# Altium PCB DCAR_Motors_Relays.PcbDoc (part 3 of 4) (continued)
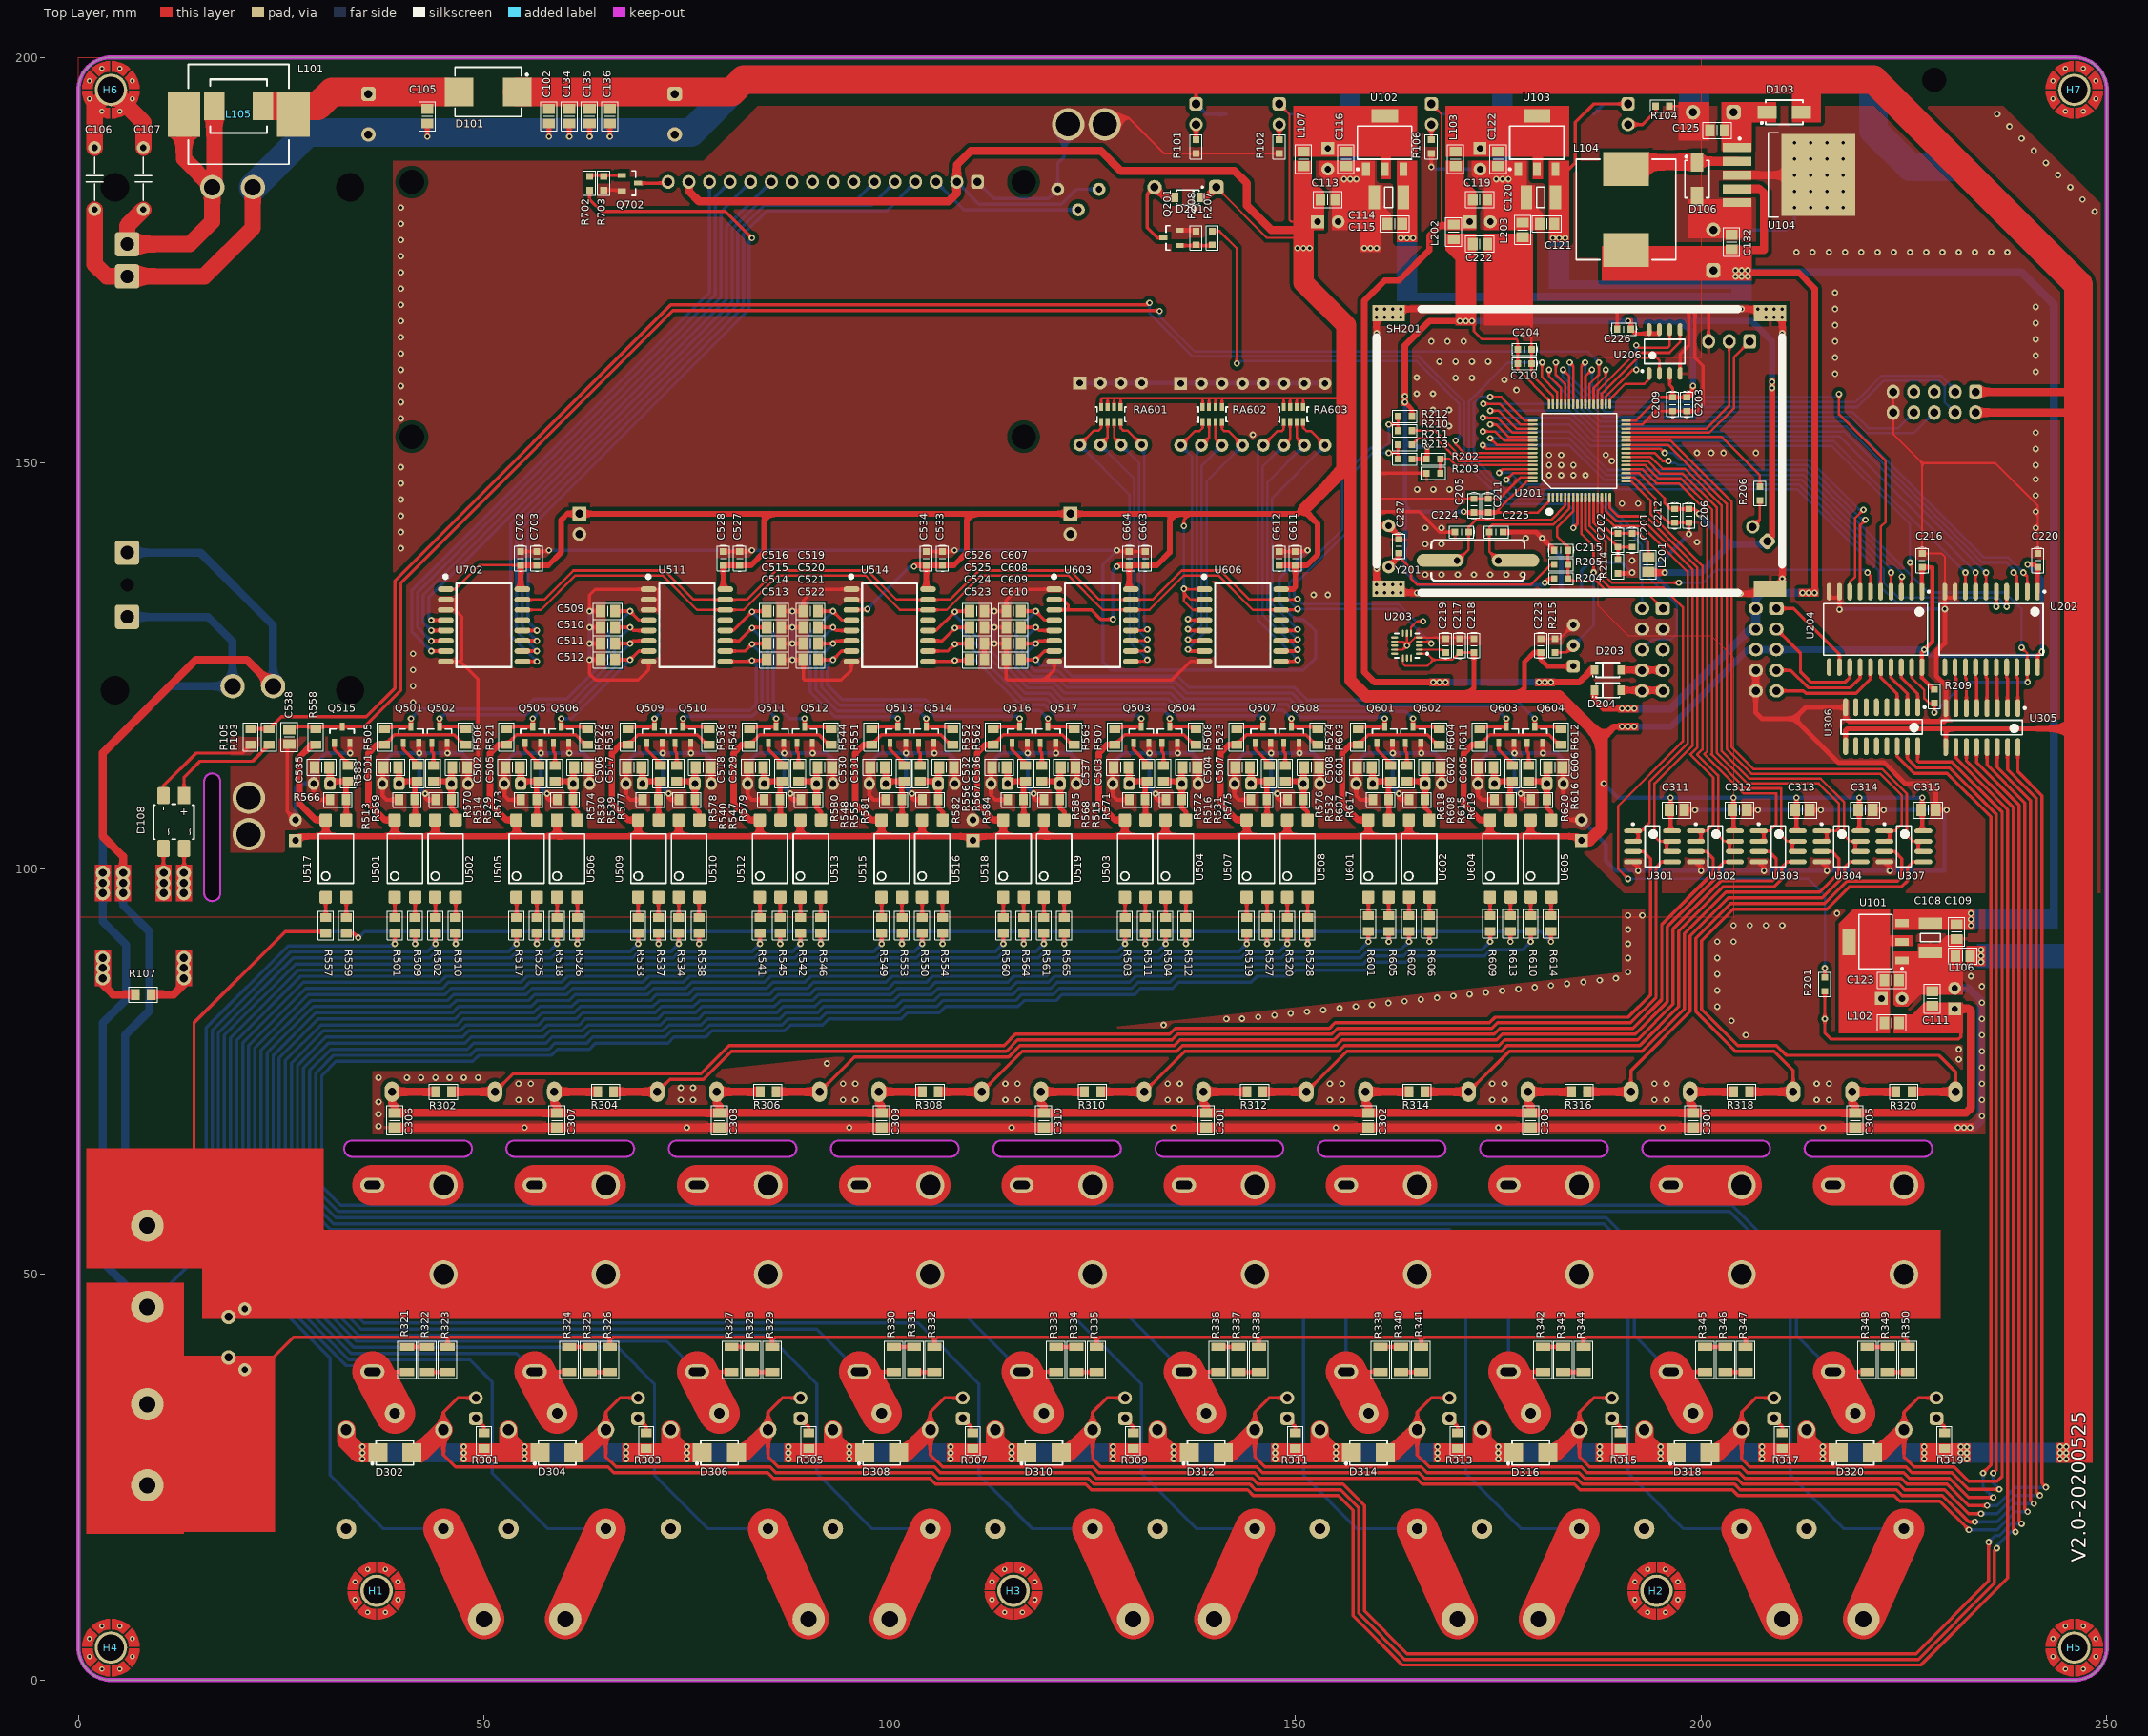
[diagram p0: Top Layer view]
## Nets (pads, with @x,y where several pads share a name; then routed paths per layer and width w, separated by ;. In a path a pad name is that pad's centre, name@x,y a point inside that pad or via, vN(x,y) a via of type N, cw(c..) or ccw(c..) an arc to the next point about the centre after c; other vN are vias at no path point) (continued)
LCD_D4: LCD702.11 U702.4 | length 73.4
  Top Layer w0.4: v1(43.5,130.635) U702.4@45.275,130.635
  Bottom Layer w0.4: v1(43.5,130.635) 43.2,130.935 43.2,133.46 79.88,170.14 79.88,179.13 LCD702.11@85.4,184.65
LCD_D5: LCD702.12 U702.5 | length 74.2
  Top Layer w0.4: v1(43.5,129.365) U702.5@45.275,129.365
  Bottom Layer w0.4: v1(43.5,129.365) 43.497,129.365 42.5,130.362 42.5,133.75 79.18,170.43 79.18,180.97 LCD702.12@82.86,184.65
LCD_D6: LCD702.13 U702.6 | length 75
  Top Layer w0.4: v1(43.5,128.095) U702.6@45.275,128.095
  Bottom Layer w0.4: v1(43.5,128.095) 43.497,128.095 41.8,129.792 41.8,134.04 78.48,170.72 78.48,182.81 LCD702.13@80.32,184.65
LCD_D7: LCD702.14 U702.7 | length 75.8
  Top Layer w0.4: v1(43.5,126.825) U702.7@45.275,126.825
  Bottom Layer w0.4: v1(43.5,126.825) 43.497,126.825 41.1,129.222 41.1,134.33 77.78,171.01 LCD702.14@77.78,184.65
LCD_EN: LCD702.6 U702.9 | length 87.6
  Top Layer w0.4: U702.9@54.725,125.555 v1(56.5,125.555)
  Bottom Layer w0.4: v1(56.5,125.555) 56.497,125.555 53.3,128.752 53.3,142.57 80.58,169.85 80.58,178.84 84.24,182.5 95.95,182.5 LCD702.6@98.1,184.65
LCD_RD: LCD702.5 U702.10 | length 87.7
  Top Layer w0.4: U702.10@54.725,126.825 v1(56.5,126.825)
  Bottom Layer w0.4: v1(56.5,126.825) 56.497,126.825 54,129.322 54,142.28 81.28,169.56 81.28,178.55 84.53,181.8 97.79,181.8 LCD702.5@100.64,184.65
LCD_RS: LCD702.4 U702.11 | length 87.8
  Top Layer w0.4: U702.11@54.725,128.095 v1(56.5,128.095)
  Bottom Layer w0.4: v1(56.5,128.095) 56.497,128.095 54.7,129.892 54.7,141.99 81.98,169.27 81.98,178.26 84.82,181.1 99.63,181.1 LCD702.4@103.18,184.65
LED7_CLK: U201.11 U204.6 | length 46.4
  Top Layer w0.3: U201.11@186.25,145.75 186.25,142.25 188.25,140.25 188.25,136 189,135.25 v1(197.25,135.25) ; v1(220.5,136.5) 220.865,136.135 U204.6@220.865,134.15
  Bottom Layer w0.3: v1(197.25,135.25) 200.25,135.25 201.85,136.85 220.15,136.85 v1(220.5,136.5)
LED7_LE: U201.24 U204.7 | length 42
  Top Layer w0.3: U201.24@190.75,151.25 194.25,151.25 195.25,150.25 v1(196,150.25) ; U204.7@219.595,134.15 219.595,142.345 v1(220.25,143)
  Bottom Layer w0.3: v1(196,150.25) 196.25,150 196.901,150 197.151,149.75 213.122,149.75 219.872,143 v1(220.25,143)
LED7_OE: U201.25 U204.8 | length 43.2
  Top Layer w0.3: U201.25@190.75,151.75 195,151.75 v1(195.5,151.25) ; U204.8@218.325,134.15 218.325,135.325 218.995,135.995 218.995,143.245 v1(220,144.25)
  Bottom Layer w0.3: v1(195.5,151.25) 196.5,151.25 197.4,150.35 213.371,150.35 219.471,144.25 v1(220,144.25)
LED7_SDI: U201.37 U204.5 | length 63.5
  Top Layer w0.3: U201.37@186.75,157.5 186.75,159.25 188.25,160.75 v1(188.25,161.5) ; v1(217,158.5) 217,156 222.75,150.25 222.75,142.75 222.135,142.135 U204.5@222.135,134.15
  Bottom Layer w0.3: v1(188.25,161.5) 188.25,158.75 188.9,158.1 216.6,158.1 v1(217,158.5)
NetBZ201_2: BZ201.2 D201.1 Q201.3 | length 10.9
  Top Layer w0.4: BZ201.2@132.63,184 131.75,183.12 131.75,179 133,177.75 Q201.3@133.75,177.75
  Top Layer w0.8: BZ201.2@132.63,184 133.88,182.75 D201.1@135.11,182.75
NetC104_1: C104.1 C105.1 D101.1 L101.1 L105.1 | length 23
  Top Layer w3.5: L101.1@23.25,194 29.5,194 31.25,195.75 D101.1@45.5,195.75
NetC107_1: C107.1 L101.2 L105.2 P103.1 P104.3 | length 41.5
  Top Layer w2: C107.1@8,181.25 6,179.25 P103.1@6,176.98 13.73,176.98 16.5,179.75 P104.3@16.5,184 ; L105.2@13,193 13,187.5 P104.3@16.5,184 ; L101.2@16.75,194 16.75,184.25 P104.3@16.5,184
NetC110_1: C110.1 C123.1 L102.1 U101.2 U101.4
NetC116_1: C116.1 C117.1 L107.1 U102.2 U102.4
NetC122_1: C122.1 C128.1 L103.1 U103.2 U103.4
NetC124_1: C124.1 C125.1 D103.2 U104.1
NetC219_1: C219.1 U203.2 | length 3.4
  Top Layer w0.25: U203.2@165.275,127 168.15,127 C219.1@168.5,126.65
NetC227_1: C227.1 R205.2 SW201.1 | length 24.1
  Top Layer w0.3: 162.75,138.46 162.79,138.46 164.25,137 164.25,135.75 165,135 179,135 181.5,137.5 R205.2@181.9,137.5
  Top Layer w0.6: SW201.1@161.5,137.21 162.75,138.46
NetC501_1: C501.1 C539.1 R513.2 R569.2 U501.3 | length 9.3
  Top Layer w0.6: C501.1@39.4,112.5 39.516,112.384 C539.1@39.516,110.5 39.791,110.775 R569.2@41.75,110.775 41.475,110.5 R513.2@41.475,108.5 41.52,108.455 U501.3@41.52,106.012
NetC502_1: C502.1 C540.1 R514.2 R570.2 U502.3 | length 9.1
  Top Layer w0.6: R570.2@43.75,110.775 45.709,110.775 C540.1@45.984,110.5 ; C502.1@46.1,112.5 45.984,112.384 C540.1@45.984,110.5 ; U502.3@46.52,106.012 46.52,106.98 45.975,107.525 R514.2@45.975,108.5 45.984,108.509 C540.1@45.984,110.5
NetC503_1: C503.1 C541.1 R515.2 R571.2 U503.3 | length 9.3
  Top Layer w0.6: C503.1@129.4,112.5 129.516,112.384 C541.1@129.516,110.5 129.791,110.775 R571.2@131.75,110.775 131.475,110.5 R515.2@131.475,108.5 131.52,108.455 U503.3@131.52,106.012
NetC504_1: C504.1 C542.1 R516.2 R572.2 U504.3 | length 9.1
  Top Layer w0.6: R572.2@133.75,110.775 135.709,110.775 C542.1@135.984,110.5 ; C504.1@136.1,112.5 135.984,112.384 C542.1@135.984,110.5 ; U504.3@136.52,106.012 136.52,106.98 135.975,107.525 R516.2@135.975,108.5 135.984,108.509 C542.1@135.984,110.5
NetC505_1: C505.1 C543.1 R529.2 R573.2 U505.3 | length 9.3
  Top Layer w0.6: C505.1@54.4,112.5 54.516,112.384 C543.1@54.516,110.5 54.791,110.775 R573.2@56.75,110.775 56.475,110.5 R529.2@56.475,108.5 56.52,108.455 U505.3@56.52,106.013
NetC506_1: C506.1 C544.1 R530.2 R574.2 U506.3 | length 9.1
  Top Layer w0.6: R574.2@58.75,110.775 60.709,110.775 C544.1@60.984,110.5 ; C506.1@61.1,112.5 60.984,112.384 C544.1@60.984,110.5 ; U506.3@61.52,106.013 61.52,106.98 60.975,107.525 R530.2@60.975,108.5 60.984,108.509 C544.1@60.984,110.5
NetC507_1: C507.1 C545.1 R531.2 R575.2 U507.3 | length 9.3
  Top Layer w0.6: C507.1@144.4,112.5 144.516,112.384 C545.1@144.516,110.5 144.791,110.775 R575.2@146.75,110.775 146.475,110.5 R531.2@146.475,108.5 146.52,108.455 U507.3@146.52,106.012
NetC508_1: C508.1 C546.1 R532.2 R576.2 U508.3 | length 9.1
  Top Layer w0.6: R576.2@148.75,110.775 150.709,110.775 C546.1@150.984,110.5 ; C508.1@151.1,112.5 150.984,112.384 C546.1@150.984,110.5 ; U508.3@151.52,106.012 151.52,106.98 150.975,107.525 R532.2@150.975,108.5 150.984,108.509 C546.1@150.984,110.5
NetC517_1: C517.1 C547.1 R539.2 R577.2 U509.3 | length 9.3
  Top Layer w0.6: C517.1@69.4,112.5 69.516,112.384 C547.1@69.516,110.5 69.791,110.775 R577.2@71.75,110.775 71.475,110.5 R539.2@71.475,108.5 71.52,108.455 U509.3@71.52,106.012
NetC518_1: C518.1 C548.1 R540.2 R578.2 U510.3 | length 9.1
  Top Layer w0.6: R578.2@73.75,110.775 75.709,110.775 C548.1@75.984,110.5 ; C518.1@76.1,112.5 75.984,112.384 C548.1@75.984,110.5 ; U510.3@76.52,106.012 76.52,106.98 75.975,107.525 R540.2@75.975,108.5 75.984,108.509 C548.1@75.984,110.5
NetC529_1: C529.1 C549.1 R547.2 R579.2 U512.3 | length 9.3
  Top Layer w0.6: C529.1@84.4,112.5 84.516,112.384 C549.1@84.516,110.5 84.791,110.775 R579.2@86.75,110.775 86.475,110.5 R547.2@86.475,108.5 86.52,108.455 U512.3@86.52,106.012
NetC530_1: C530.1 C550.1 R548.2 R580.2 U513.3 | length 9.1
  Top Layer w0.6: R580.2@88.75,110.775 90.709,110.775 C550.1@90.984,110.5 ; C530.1@91.1,112.5 90.984,112.384 C550.1@90.984,110.5 ; U513.3@91.52,106.012 91.52,106.98 90.975,107.525 R548.2@90.975,108.5 90.984,108.509 C550.1@90.984,110.5
NetC531_1: C531.1 C551.1 R555.2 R581.2 U515.3 | length 9.3
  Top Layer w0.6: C531.1@99.4,112.5 99.516,112.384 C551.1@99.516,110.5 99.791,110.775 R581.2@101.75,110.775 101.475,110.5 R555.2@101.475,108.5 101.52,108.455 U515.3@101.52,106.012
NetC532_1: C532.1 C552.1 R556.2 R582.2 U516.3 | length 9.1
  Top Layer w0.6: R582.2@103.75,110.775 105.709,110.775 C552.1@105.984,110.5 ; C532.1@106.1,112.5 105.984,112.384 C552.1@105.984,110.5 ; U516.3@106.52,106.012 106.52,106.98 105.975,107.525 R556.2@105.975,108.5 105.984,108.509 C552.1@105.984,110.5
NetC535_1: C535.1 C555.1 R566.2 R583.2 U517.3 | length 9.3
  Top Layer w0.6: C535.1@30.9,112.5 31.016,112.384 C555.1@31.016,110.5 31.291,110.775 R583.2@33.25,110.775 32.975,110.5 R566.2@32.975,108.5 33.02,108.455 U517.3@33.02,106.013
NetC536_1: C536.1 C553.1 R567.2 R584.2 U518.3 | length 9.3
  Top Layer w0.6: C536.1@114.4,112.5 114.516,112.384 C553.1@114.516,110.5 114.791,110.775 R584.2@116.75,110.775 116.475,110.5 R567.2@116.475,108.5 116.52,108.455 U518.3@116.52,106.012
NetC537_1: C537.1 C554.1 R568.2 R585.2 U519.3 | length 9.1
  Top Layer w0.6: R585.2@118.75,110.775 120.709,110.775 C554.1@120.984,110.5 ; C537.1@121.1,112.5 120.984,112.384 C554.1@120.984,110.5 ; U519.3@121.52,106.012 121.52,106.98 120.975,107.525 R568.2@120.975,108.5 120.984,108.509 C554.1@120.984,110.5
NetC538_2: C538.2 Q515.3 R558.1 U201.38 | length 199.2
  Top Layer w0.3: U201.38@186.25,157.5 186.25,159.75 187.4,160.9 v1(187.4,162.4)
  Top Layer w0.4: C538.2@25.75,117.15 26.1,117.5 Q515.3@32.5,117.5 35.25,117.5 39.7,121.95 39.7,135.21 73.29,168.8 133.2,168.8 v1(133.25,168.75)
  Bottom Layer w0.3: v1(133.25,168.75) 133.25,168.099 137.599,163.75 186.05,163.75 v1(187.4,162.4)
NetC601_1: C601.1 C613.1 R607.2 R617.2 U601.3 | length 9.3
  Top Layer w0.6: C601.1@159.4,112.5 159.516,112.384 C613.1@159.516,110.5 159.791,110.775 R617.2@161.75,110.775 161.475,110.5 R607.2@161.475,108.5 161.52,108.455 U601.3@161.52,106.013
NetC602_1: C602.1 C614.1 R608.2 R618.2 U602.3 | length 9.1
  Top Layer w0.6: R618.2@163.75,110.775 165.709,110.775 C614.1@165.984,110.5 ; C602.1@166.1,112.5 165.984,112.384 C614.1@165.984,110.5 ; U602.3@166.52,106.013 166.52,106.98 165.975,107.525 R608.2@165.975,108.5 165.984,108.509 C614.1@165.984,110.5
NetC605_1: C605.1 C615.1 R615.2 R619.2 U604.3 | length 9.3
  Top Layer w0.6: C605.1@174.4,112.5 174.516,112.384 C615.1@174.516,110.5 174.791,110.775 R619.2@176.75,110.775 176.475,110.5 R615.2@176.475,108.5 176.52,108.455 U604.3@176.52,106.013
NetC606_1: C606.1 C616.1 R616.2 R620.2 U605.3 | length 9.1
  Top Layer w0.6: R620.2@178.75,110.775 180.709,110.775 C616.1@180.984,110.5 ; C606.1@181.1,112.5 180.984,112.384 C616.1@180.984,110.5 ; U605.3@181.52,106.013 181.52,106.98 180.975,107.525 R616.2@180.975,108.5 180.984,108.509 C616.1@180.984,110.5
NetD102_2: D102.2 R101.2 | length 2.1
  Top Layer w0.4: R101.2@137.75,189.6 D102.2@137.75,191.73
NetD104_2: D104.2 R104.2 | length 4.7
  Top Layer w0.4: D104.2@191,191.73 192.75,191.73 194.4,193.38 R104.2@194.4,194
NetD105_2: D105.2 R106.2 | length 1.9
  Top Layer w0.25: R106.2@166.75,189.85 D105.2@166.75,191.73
NetD106_2: D106.2 L104.1 U104.2 | length 14.2
  Top Layer w1.1: D106.2@199.5,187.1 199.6,187.2 U104.2@204.45,187.2
  Top Layer w2: L104.1@190.75,186 191.85,187.1 D106.2@199.5,187.1
NetD107_2: D107.2 R102.2 | length 1.9
  Top Layer w0.25: R102.2@148,189.85 D107.2@148,191.73
NetD108_1: D108.3 T101.3 | length 5.5
  Top Layer w0.4: D108.3@10.48,102.5 10.48,97.02 T101.3@10.5,97
NetD108_2: D108.4 T101.4 | length 5.5
  Top Layer w0.4: T101.4@13,97 13.02,97.02 D108.4@13.02,102.5
NetD108_3: D108.1 R103.2 | length 14.4
  Top Layer w0.4: D108.1@13.02,109 13.02,111.27 15,113.25 21.475,113.25 R103.2@23.5,115.275
NetD202_2: D202.2 R206.2 | length 3.6
  Top Layer w0.3: D202.2@206.352,142.148 207.25,143.046 R206.2@207.25,145.4
NetD203_1: D203.1 P202.7 P202.8 | length 5.1
  Top Layer w0.8: D203.1@190.14,124.5 195.23,124.5 P202.7@195.27,124.46
NetD204_1: D204.1 P202.9 P202.10 | length 5.2
  Top Layer w0.8: D204.1@190.14,122 195.19,122 P202.9@195.27,121.92
NetD301_1: D301.1 R301.2 | length 2.2
  Top Layer w0.4: D301.1@49,32.23 50,31.23 R301.2@50,30.475
NetD303_1: D303.1 R303.2 | length 2.2
  Top Layer w0.4: D303.1@69,32.23 70,31.23 R303.2@70,30.475
NetD305_1: D305.1 R305.2 | length 2.2
  Top Layer w0.4: D305.1@89,32.23 90,31.23 R305.2@90,30.475
NetD307_1: D307.1 R307.2 | length 2.2
  Top Layer w0.4: D307.1@109,32.23 110,31.23 R307.2@110,30.475
NetD309_1: D309.1 R309.2 | length 2.2
  Top Layer w0.4: D309.1@129,32.23 130,31.23 R309.2@130,30.475
NetD311_1: D311.1 R311.2 | length 2.2
  Top Layer w0.4: D311.1@149,32.23 150,31.23 R311.2@150,30.475
NetD313_1: D313.1 R313.2 | length 2.2
  Top Layer w0.4: D313.1@169,32.23 170,31.23 R313.2@170,30.475
NetD315_1: D315.1 R315.2 | length 2.2
  Top Layer w0.4: D315.1@189,32.23 190,31.23 R315.2@190,30.475
NetD317_1: D317.1 R317.2 | length 2.2
  Top Layer w0.4: D317.1@209,32.23 210,31.23 R317.2@210,30.475
NetD319_1: D319.1 R319.2 | length 2.2
  Top Layer w0.4: D319.1@229,32.23 230,31.23 R319.2@230,30.475
NetF301_2: F301.2 J301.1 | length 8.8
  Top Layer w5: F301.2@36.25,61 J301.1@45,61
NetF302_2: F302.2 J302.1 | length 8.8
  Top Layer w5: F302.2@56.25,61 J302.1@65,61
NetF303_2: F303.2 J303.1 | length 8.8
  Top Layer w5: F303.2@76.25,61 J303.1@85,61
NetF304_2: F304.2 J304.1 | length 8.8
  Top Layer w5: F304.2@96.25,61 J304.1@105,61
NetF305_2: F305.2 J305.1 | length 8.8
  Top Layer w5: F305.2@116.25,61 J305.1@125,61
NetF306_2: F306.2 J306.1 | length 8.8
  Top Layer w5: F306.2@136.25,61 J306.1@145,61
NetF307_2: F307.2 J307.1 | length 8.8
  Top Layer w5: F307.2@156.25,61 J307.1@165,61
NetF308_2: F308.2 J308.1 | length 8.8
  Top Layer w5: F308.2@176.25,61 J308.1@185,61
NetF309_2: F309.2 J309.1 | length 8.8
  Top Layer w5: F309.2@196.25,61 J309.1@205,61
NetF310_2: F310.2 J310.1 | length 8.8
  Top Layer w5: F310.2@216.25,61 J310.1@225,61
NetLCD702_3: LCD702.3 VR702.2 | length 19
  Bottom Layer w0.4: LCD702.3@105.72,184.65 109.16,181.21 VR702.2@123.25,181.21
NetLCD702_16: LCD702.16 Q702.3 | length 3.8
  Top Layer w0.4: Q702.3@69,184.5 72.55,184.5 LCD702.16@72.7,184.65
NetQ201_1: Q201.1 R207.1 R208.2 | length 4
  Top Layer w0.4: Q201.1@135.75,176.8 139.65,176.8 R207.1@139.75,176.9
NetQ501_1: Q501.1 R569.1 | length 3.5
  Top Layer w0.4: Q501.1@40.05,115.5 40.05,114.7 41.75,113 R569.1@41.75,112.725
NetQ502_1: Q502.1 R570.1 | length 2.9
  Top Layer w0.4: Q502.1@43.55,115.5 43.55,114.45 43.75,114.25 R570.1@43.75,112.725
NetQ503_1: Q503.1 R571.1 | length 3.5
  Top Layer w0.4: Q503.1@130.05,115.5 130.05,114.7 131.75,113 R571.1@131.75,112.725
NetQ504_1: Q504.1 R572.1 | length 2.9
  Top Layer w0.4: Q504.1@133.55,115.5 133.55,114.45 133.75,114.25 R572.1@133.75,112.725
NetQ505_1: Q505.1 R573.1 | length 3.5
  Top Layer w0.4: Q505.1@55.05,115.5 55.05,114.7 56.75,113 R573.1@56.75,112.725
NetQ506_1: Q506.1 R574.1 | length 2.9
  Top Layer w0.4: Q506.1@58.55,115.5 58.55,114.45 58.75,114.25 R574.1@58.75,112.725
NetQ507_1: Q507.1 R575.1 | length 3.5
  Top Layer w0.4: Q507.1@145.05,115.5 145.05,114.7 146.75,113 R575.1@146.75,112.725
NetQ508_1: Q508.1 R576.1 | length 2.9
  Top Layer w0.4: Q508.1@148.55,115.5 148.55,114.45 148.75,114.25 R576.1@148.75,112.725
NetQ509_1: Q509.1 R577.1 | length 3.5
  Top Layer w0.4: Q509.1@70.05,115.5 70.05,114.7 71.75,113 R577.1@71.75,112.725
NetQ510_1: Q510.1 R578.1 | length 2.9
  Top Layer w0.4: Q510.1@73.55,115.5 73.55,114.45 73.75,114.25 R578.1@73.75,112.725
NetQ511_1: Q511.1 R579.1 | length 3.5
  Top Layer w0.4: Q511.1@85.05,115.5 85.05,114.7 86.75,113 R579.1@86.75,112.725
NetQ512_1: Q512.1 R580.1 | length 2.9
  Top Layer w0.4: Q512.1@88.55,115.5 88.55,114.45 88.75,114.25 R580.1@88.75,112.725
NetQ513_1: Q513.1 R581.1 | length 3.5
  Top Layer w0.4: Q513.1@100.05,115.5 100.05,114.7 101.75,113 R581.1@101.75,112.725
NetQ514_1: Q514.1 R582.1 | length 2.9
  Top Layer w0.4: Q514.1@103.55,115.5 103.55,114.45 103.75,114.25 R582.1@103.75,112.725
NetQ515_1: Q515.1 R583.1 | length 3.5
  Top Layer w0.4: Q515.1@31.55,115.5 31.55,114.7 33.25,113 R583.1@33.25,112.725
NetQ516_1: Q516.1 R584.1 | length 3.5
  Top Layer w0.4: Q516.1@115.05,115.5 115.05,114.7 116.75,113 R584.1@116.75,112.725
NetQ517_1: Q517.1 R585.1 | length 2.9
  Top Layer w0.4: Q517.1@118.55,115.5 118.55,114.45 118.75,114.25 R585.1@118.75,112.725
NetQ601_1: Q601.1 R617.1 | length 3.5
  Top Layer w0.4: Q601.1@160.05,115.5 160.05,114.7 161.75,113 R617.1@161.75,112.725
NetQ602_1: Q602.1 R618.1 | length 2.9
  Top Layer w0.4: Q602.1@163.55,115.5 163.55,114.45 163.75,114.25 R618.1@163.75,112.725
NetQ603_1: Q603.1 R619.1 | length 3.5
  Top Layer w0.4: Q603.1@175.05,115.5 175.05,114.7 176.75,113 R619.1@176.75,112.725
NetQ604_1: Q604.1 R620.1 | length 2.9
  Top Layer w0.4: Q604.1@178.55,115.5 178.55,114.45 178.75,114.25 R620.1@178.75,112.725
NetQ702_1: Q702.1 R702.1 R703.2 | length 4
  Top Layer w0.3: R702.1@63,185.35 63.1,185.45 Q702.1@67,185.45
NetR103_1: R103.1 R105.2 U201.8 | length 214.4
  Top Layer w0.3: v1(184.25,142) 184.75,142.5 U201.8@184.75,145.75
  Top Layer w0.4: R105.2@21.25,117.225 R103.1@23.5,117.225 25.025,118.75 35.51,118.75 39,122.24 39,135.5 73,169.5 131.75,169.5 v1(132,169.75)
  Bottom Layer w0.3: v1(132,169.75) 132,168.5 137.35,163.15 165.199,163.15 170.8,157.549 170.8,150.103 175.953,144.95 183.55,144.95 184.25,144.25 v1(184.25,142)
NetR107_1: R107.1 T101.5 | length 7.8
  Top Layer w1: R107.1@8.975,84.5 11.75,84.5 13,85.75 T101.5@13,86.5 T101.5@13,87.75 T101.5@13,89
NetR107_2: R107.2 T101.6 | length 7.8
  Top Layer w1: T101.6@3,89 T101.6@3,87.75 T101.6@3,86.5 3,85.75 4.25,84.5 R107.2@7.025,84.5
NetR210_1: R210.1 U201.58 | length 16.2
  Top Layer w0.3: R210.1@164.35,154 167.197,154 170.447,150.75 U201.58@179.25,150.75
NetR211_1: R211.1 U201.59 | length 16.4
  Top Layer w0.3: R211.1@164.35,152.25 165.176,153.076 167.273,153.076 170.099,150.25 U201.59@179.25,150.25
NetR302_1: R302.1 S301.2 U301.3 | length 172
  Top Layer w0.4: S301.2@51.35,72.5 53.6,74.75 76.75,74.75 80.2,78.2 114.08,78.2 115.48,79.6 134.49,79.6 135.19,80.3 154.2,80.3 154.9,81 173.91,81 174.61,81.7 191,81.7 193.75,84.45 193.75,101.25 192.885,102.115 U301.3@191.6,102.115
  Top Layer w1: R302.1@45.975,72.5 S301.2@51.35,72.5
NetR304_1: R304.1 S302.2 U301.5 | length 151.6
  Top Layer w0.4: S302.2@71.35,72.5 72.9,74.05 77.04,74.05 80.49,77.5 114.37,77.5 115.77,78.9 134.78,78.9 135.48,79.6 154.49,79.6 155.19,80.3 174.2,80.3 174.9,81 191.29,81 194.45,84.16 194.45,100.2 195.095,100.845 U301.5@196.4,100.845
  Top Layer w1: R304.1@65.975,72.5 S302.2@71.35,72.5
NetR306_1: R306.1 S303.2 U302.3 | length 136.4
  Top Layer w0.4: S303.2@91.35,72.5 95.65,76.8 114.66,76.8 116.06,78.2 135.07,78.2 135.77,78.9 154.78,78.9 155.48,79.6 174.49,79.6 175.19,80.3 191.58,80.3 195.15,83.87 195.15,93.15 201.5,99.5 201.5,101.25 200.635,102.115 U302.3@199.35,102.115
  Top Layer w1: R306.1@85.975,72.5 S303.2@91.35,72.5
NetR308_1: R308.1 S304.2 U302.5 | length 115.9
  Top Layer w0.4: S304.2@111.35,72.5 116.35,77.5 135.36,77.5 136.06,78.2 155.07,78.2 155.77,78.9 174.78,78.9 175.48,79.6 191.87,79.6 195.85,83.58 195.85,92.86 202.2,99.21 202.2,100.2 202.845,100.845 U302.5@204.15,100.845
  Top Layer w1: R308.1@105.975,72.5 S304.2@111.35,72.5
NetR310_1: R310.1 S305.2 U303.3 | length 104.4
  Top Layer w0.4: S305.2@131.35,72.5 136.35,77.5 155.36,77.5 156.06,78.2 175.07,78.2 175.77,78.9 192.16,78.9 196.55,83.29 196.55,92.57 202.48,98.5 208.75,98.5 209.25,99 209.25,101.25 208.385,102.115 U303.3@207.1,102.115
  Top Layer w1: R310.1@125.975,72.5 S305.2@131.35,72.5
NetR312_1: R312.1 S306.2 U303.5 | length 84
  Top Layer w0.4: S306.2@151.35,72.5 156.35,77.5 175.36,77.5 176.06,78.2 192.45,78.2 197.25,83 197.25,92.28 202.77,97.8 209.04,97.8 209.95,98.71 209.95,100.2 210.595,100.845 U303.5@211.9,100.845
  Top Layer w1: R312.1@145.975,72.5 S306.2@151.35,72.5
NetR314_1: R314.1 S307.2 U304.3 | length 71.9
  Top Layer w0.4: S307.2@171.35,72.5 176.35,77.5 192.74,77.5 197.95,82.71 197.95,91.99 203.06,97.1 214.63,97.1 217,99.47 217,101.25 216.135,102.115 U304.3@214.85,102.115
  Top Layer w1: R314.1@165.975,72.5 S307.2@171.35,72.5
NetR316_1: R316.1 S308.2 U304.5 | length 53
  Top Layer w0.4: S308.2@191.35,72.5 191.35,75.12 198.65,82.42 198.65,91.7 203.35,96.4 214.92,96.4 217.7,99.18 217.7,100.2 218.345,100.845 U304.5@219.65,100.845
  Top Layer w1: R316.1@185.975,72.5 S308.2@191.35,72.5
NetR318_1: R318.1 S309.2 U307.3 | length 65.3
  Top Layer w0.4: S309.2@211.35,72.5 211.35,75.15 209,77.5 204.25,77.5 199.35,82.4 199.35,91.41 203.64,95.7 215.21,95.7 217.96,98.45 224.2,98.45 224.75,99 224.75,101.25 223.885,102.115 U307.3@222.6,102.115
  Top Layer w1: R318.1@205.975,72.5 S309.2@211.35,72.5
NetR320_1: R320.1 S310.2 U307.5 | length 83.1
  Top Layer w0.4: U307.5@227.4,100.845 226.095,100.845 225.45,100.2 225.45,98.5 224.7,97.75 218.25,97.75 215.5,95 203.93,95 200.05,91.12 200.05,82.69 204.54,78.2 209.29,78.2 210.49,77 229.293,77 231.35,74.943 S310.2@231.35,72.5
  Top Layer w1: R320.1@225.975,72.5 S310.2@231.35,72.5
NetR321_2: R321.2 R322.1 | length 2.5
  Top Layer w0.4: R321.2@40.5,41.05 R322.1@43,41.05
NetR322_2: R322.2 R323.1 | length 2.5
  Top Layer w0.4: R322.2@43,37.95 R323.1@45.5,37.95
NetR324_2: R324.2 R325.1 | length 2.5
  Top Layer w0.4: R324.2@60.5,41.05 R325.1@63,41.05
NetR325_2: R325.2 R326.1 | length 2.5
  Top Layer w0.4: R325.2@63,37.95 R326.1@65.5,37.95
NetR327_2: R327.2 R328.1 | length 2.5
  Top Layer w0.4: R327.2@80.5,41.05 R328.1@83,41.05
NetR328_2: R328.2 R329.1 | length 2.5
  Top Layer w0.4: R328.2@83,37.95 R329.1@85.5,37.95
NetR330_2: R330.2 R331.1 | length 2.5
  Top Layer w0.4: R330.2@100.5,41.05 R331.1@103,41.05
NetR331_2: R331.2 R332.1 | length 2.5
  Top Layer w0.4: R331.2@103,37.95 R332.1@105.5,37.95
NetR333_2: R333.2 R334.1 | length 2.5
  Top Layer w0.4: R333.2@120.5,41.05 R334.1@123,41.05
NetR334_2: R334.2 R335.1 | length 2.5
  Top Layer w0.4: R334.2@123,37.95 R335.1@125.5,37.95
NetR336_2: R336.2 R337.1 | length 2.5
  Top Layer w0.4: R336.2@140.5,41.05 R337.1@143,41.05
NetR337_2: R337.2 R338.1 | length 2.5
  Top Layer w0.4: R337.2@143,37.95 R338.1@145.5,37.95
NetR339_2: R339.2 R340.1 | length 2.5
  Top Layer w0.4: R339.2@160.5,41.05 R340.1@163,41.05
NetR340_2: R340.2 R341.1 | length 2.5
  Top Layer w0.4: R340.2@163,37.95 R341.1@165.5,37.95
NetR342_2: R342.2 R343.1 | length 2.5
  Top Layer w0.4: R342.2@180.5,41.05 R343.1@183,41.05
NetR343_2: R343.2 R344.1 | length 2.5
  Top Layer w0.4: R343.2@183,37.95 R344.1@185.5,37.95
NetR345_2: R345.2 R346.1 | length 2.5
  Top Layer w0.4: R345.2@200.5,41.05 R346.1@203,41.05
NetR346_2: R346.2 R347.1 | length 2.5
  Top Layer w0.4: R346.2@203,37.95 R347.1@205.5,37.95
NetR348_2: R348.2 R349.1 | length 2.5
  Top Layer w0.4: R348.2@220.5,41.05 R349.1@223,41.05
NetR349_2: R349.2 R350.1 | length 2.5
  Top Layer w0.4: R349.2@223,37.95 R350.1@225.5,37.95
NetR501_2: R501.2 U501.1 | length 2.5
  Top Layer w0.4: R501.2@39,93.975 U501.1@39,96.467
NetR502_2: R502.2 U502.1 | length 2.5
  Top Layer w0.4: R502.2@44,93.975 U502.1@44,96.467
NetR503_2: R503.2 U503.1 | length 2.5
  Top Layer w0.4: R503.2@129,93.975 U503.1@129,96.467
NetR504_2: R504.2 U504.1 | length 2.5
  Top Layer w0.4: R504.2@134,93.975 U504.1@134,96.467
NetR509_2: R509.2 U501.2 | length 2.5
  Top Layer w0.4: R509.2@41.5,93.975 U501.2@41.5,96.467
NetR510_2: R510.2 U502.2 | length 2.5
  Top Layer w0.4: R510.2@46.5,93.975 U502.2@46.5,96.467
NetR511_2: R511.2 U503.2 | length 2.5
  Top Layer w0.4: R511.2@131.5,93.975 U503.2@131.5,96.467
NetR512_2: R512.2 U504.2 | length 2.5
  Top Layer w0.4: R512.2@136.5,93.975 U504.2@136.5,96.467
NetR517_2: R517.2 U505.1 | length 2.5
  Top Layer w0.4: R517.2@54,93.975 U505.1@54,96.467
NetR518_2: R518.2 U506.1 | length 2.5
  Top Layer w0.4: R518.2@59,93.975 U506.1@59,96.467
NetR519_2: R519.2 U507.1 | length 2.5
  Top Layer w0.4: R519.2@144,93.975 U507.1@144,96.467
NetR520_2: R520.2 U508.1 | length 2.5
  Top Layer w0.4: R520.2@149,93.975 U508.1@149,96.467
NetR525_2: R525.2 U505.2 | length 2.5
  Top Layer w0.4: R525.2@56.5,93.975 U505.2@56.5,96.467
NetR526_2: R526.2 U506.2 | length 2.5
  Top Layer w0.4: R526.2@61.5,93.975 U506.2@61.5,96.467
NetR527_2: R527.2 U507.2 | length 2.5
  Top Layer w0.4: R527.2@146.5,93.975 U507.2@146.5,96.467
NetR528_2: R528.2 U508.2 | length 2.5
  Top Layer w0.4: R528.2@151.5,93.975 U508.2@151.5,96.467
NetR533_2: R533.2 U509.1 | length 2.5
  Top Layer w0.4: R533.2@69,93.975 U509.1@69,96.467
NetR534_2: R534.2 U510.1 | length 2.5
  Top Layer w0.4: R534.2@74,93.975 U510.1@74,96.467
NetR537_2: R537.2 U509.2 | length 2.5
  Top Layer w0.4: R537.2@71.5,93.975 U509.2@71.5,96.467
NetR538_2: R538.2 U510.2 | length 2.5
  Top Layer w0.4: R538.2@76.5,93.975 U510.2@76.5,96.467
NetR541_2: R541.2 U512.1 | length 2.5
  Top Layer w0.4: R541.2@84,93.975 U512.1@84,96.467
NetR542_2: R542.2 U513.1 | length 2.5
  Top Layer w0.4: R542.2@89,93.975 U513.1@89,96.467
NetR545_2: R545.2 U512.2 | length 2.5
  Top Layer w0.4: R545.2@86.5,93.975 U512.2@86.5,96.467
NetR546_2: R546.2 U513.2 | length 2.5
  Top Layer w0.4: R546.2@91.5,93.975 U513.2@91.5,96.467
NetR549_2: R549.2 U515.1 | length 2.5
  Top Layer w0.4: R549.2@99,93.975 U515.1@99,96.467
NetR550_2: R550.2 U516.1 | length 2.5
  Top Layer w0.4: R550.2@104,93.975 U516.1@104,96.467
NetR553_2: R553.2 U515.2 | length 2.5
  Top Layer w0.4: R553.2@101.5,93.975 U515.2@101.5,96.467
NetR554_2: R554.2 U516.2 | length 2.5
  Top Layer w0.4: R554.2@106.5,93.975 U516.2@106.5,96.467
NetR557_2: R557.2 U517.1 | length 2.5
  Top Layer w0.4: U517.1@30.48,96.488 30.48,93.995 R557.2@30.5,93.975
NetR559_2: R559.2 U517.2 | length 2.5
  Top Layer w0.4: R559.2@33,93.975 33.02,93.995 U517.2@33.02,96.488
NetR560_2: R560.2 U518.1 | length 2.5
  Top Layer w0.4: R560.2@114,93.975 U518.1@114,96.467
NetR561_2: R561.2 U519.1 | length 2.5
  Top Layer w0.4: R561.2@119,93.975 U519.1@119,96.467
NetR564_2: R564.2 U518.2 | length 2.5
  Top Layer w0.4: R564.2@116.5,93.975 U518.2@116.5,96.467
NetR565_2: R565.2 U519.2 | length 2.5
  Top Layer w0.4: R565.2@121.5,93.975 U519.2@121.5,96.467
NetR601_2: R601.2 U601.1 | length 2.5
  Top Layer w0.4: R601.2@159,94.225 U601.1@159,96.717
NetR602_2: R602.2 U602.1 | length 2.5
  Top Layer w0.4: R602.2@164,94.225 U602.1@164,96.717
NetR605_2: R605.2 U601.2 | length 2.5
  Top Layer w0.4: R605.2@161.5,94.225 U601.2@161.5,96.717
NetR606_2: R606.2 U602.2 | length 2.5
  Top Layer w0.4: R606.2@166.5,94.225 U602.2@166.5,96.717
NetR609_2: R609.2 U604.1 | length 2.5
  Top Layer w0.4: R609.2@174,94.225 U604.1@174,96.717
NetR610_2: R610.2 U605.1 | length 2.5
  Top Layer w0.4: R610.2@179,94.225 U605.1@179,96.717
NetR613_2: R613.2 U604.2 | length 2.5
  Top Layer w0.4: R613.2@176.5,94.225 U604.2@176.5,96.717
NetR614_2: R614.2 U605.2 | length 2.5
  Top Layer w0.4: R614.2@181.5,94.225 U605.2@181.5,96.717